# Altium PCB BRG_Daughter_Single.PcbDoc (part 1 of 2) (continued)
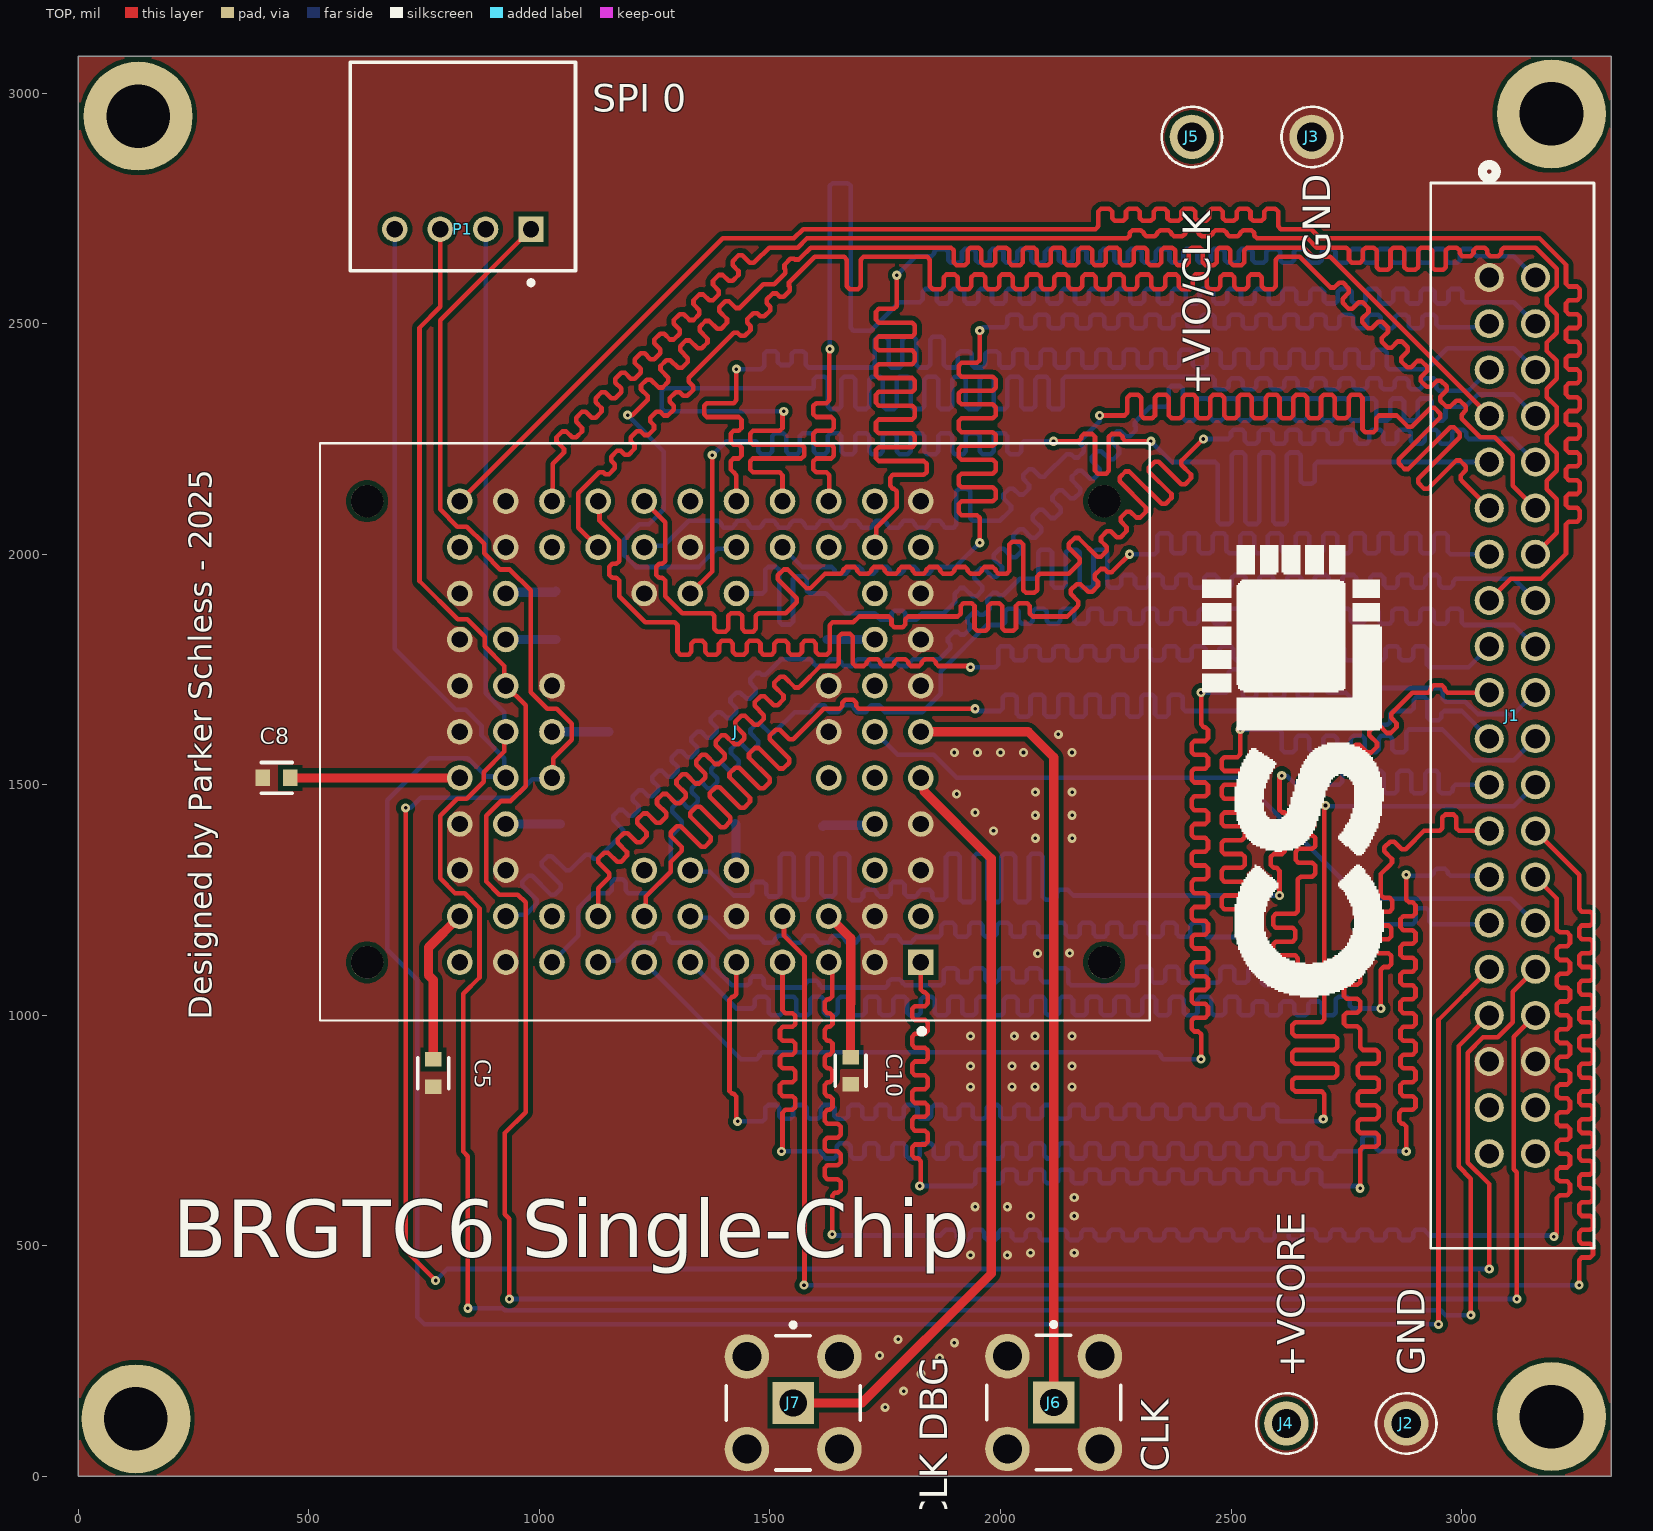
[diagram p0: TOP view]
## Nets (pads, with @x,y where several pads share a name; then routed paths per layer and width w, separated by ;. In a path a pad name is that pad's centre, name@x,y a point inside that pad or via, vN(x,y) a via of type N, cw(c..) or ccw(c..) an arc to the next point about the centre after c; other vN are vias at no path point)
+VCORE: C1.1 C2.1 C3.1 C4.1 C5.1 J1.39 J1.40 J4.1 J.B1 J.B11 J.D2 J.D10 J.H2 J.H10 J.K1 J.K11 | length 3799
  TOP w20: C5.1@770,904.53 770,1076.6 759.65,1086.95 759.65,1147.28 J.B11@827.36,1215
  PWR w20: J.K11@827.36,2015 877.36,1965 877.36,1865 J.H10@927.36,1815 879.65,1767.28 879.65,1462.72 J.D10@927.36,1415 877.36,1365 877.36,1265 J.B11@827.36,1215 875.08,1167.28 875.08,669.92 890,655 ; 1715,680 1775.08,740.08 1775.08,1162.72 J.B1@1827.36,1215 1777.36,1265 1777.36,1365 J.D2@1727.36,1415 1775.08,1462.72 1775.08,1767.28 J.H2@1727.36,1815 1777.36,1865 1777.36,1965 J.K1@1827.36,2015
  BOT w20: J.D10@927.36,1415 C4.1@1045.47,1415 ; J.H10@927.36,1815 C3.1@1035.47,1815 ; C1.1@1614.53,1410 1617.03,1412.5 1724.86,1412.5 J.D2@1727.36,1415 ; C2.1@1624.53,1815 J.H2@1727.36,1815
+VIO/CLK: C6.1 C7.1 C8.1 C9.1 C10.1 J1.37 J1.38 J5.1 J.B3 J.B9 J.C2 J.C5 J.C7 J.E2 J.E3 J.E11 J.F9 J.G2 J.J2 J.J10 J.K3 J.K9 J.L2 J.L6 | length 1027.8
  TOP w20: C8.1@459.53,1515 J.E11@827.36,1515 ; J.B3@1627.36,1215 1675.08,1167.28 1675.08,1025.06 1675,1024.98 C10.1@1675,909.53
  BOT w20: J.J10@927.36,1915 929.86,1917.5 1032.97,1917.5 C6.1@1035.47,1920 ; J.F9@1027.36,1615 C9.1@1150.47,1615 ; C7.1@1425,1415.47 1426.18,1414.29 1426.18,1316.18 J.C5@1427.36,1315
CLK: J6.1 J.F1 | length 1710.2
  TOP w20: J.F1@1827.36,1615 2060,1615 2115.39,1559.61 J6.1@2115.39,160.39
CLK_DBG: J7.1 J.E1 | length 1684
  TOP w20: J7.1@1550.39,159.61 1699.61,159.61 1980,440 1980,1340 1834.14,1485.86 1834.14,1508.22 J.E1@1827.36,1515
CRED_CLK_DOWN: J1.7 J.K5 | length 3808.2
  TOP w10: v1(1191.31,2301.58) 1201.58,2301.58 1231.1,2331.1 1234.63,2334.63 1234.63,2343.12 1220.3,2357.45 1220.3,2365.93 1233.03,2378.66 1241.51,2378.66 1258.49,2361.68 1266.98,2361.68 1279.7,2374.41 1279.7,2382.9 1262.73,2399.87 1262.73,2408.36 1275.46,2421.09 1283.94,2421.09 1300.92,2404.11 1309.4,2404.11 1322.13,2416.84 1322.13,2425.32 1305.15,2442.3 1305.15,2450.78 1317.88,2463.51 1326.37,2463.51 1343.34,2446.54 1351.83,2446.54 1364.56,2459.26 1364.56,2467.75 1347.58,2484.73 1347.58,2493.21 1360.31,2505.94 1368.79,2505.94 1385.77,2488.96 1394.25,2488.96 1406.98,2501.69 1406.98,2510.18 1390.01,2527.15 1390.01,2535.64 1402.73,2548.36 1411.22,2548.36 1425.55,2534.04 1434.04,2534.04 1437.57,2537.57 1485.44,2585.44 1509.11,2585.44 1529.61,2605.94 1533.15,2609.48 1533.15,2617.97 1531.57,2619.54 1531.57,2628.03 1544.3,2640.76 1552.78,2640.76 1554.36,2639.18 1562.85,2639.18 1566.38,2642.71 1588.67,2665 1887.67,2665 1892.67,2665 1898.67,2659 1898.67,2632.8 1904.67,2626.8 1922.67,2626.8 1928.67,2632.8 1928.67,2659 1934.67,2665 1952.67,2665 1958.67,2659 1958.67,2632.8 1964.67,2626.8 1982.67,2626.8 1988.67,2632.8 1988.67,2659 1994.67,2665 2012.67,2665 2018.67,2659 2018.67,2632.8 2024.67,2626.8 2042.67,2626.8 2048.67,2632.8 2048.67,2659 2054.67,2665 2072.67,2665 2078.67,2659 2078.67,2632.8 2084.67,2626.8 2102.67,2626.8 2108.67,2632.8 2108.67,2659 2114.67,2665 2132.67,2665 2138.67,2659 2138.67,2632.8 2144.67,2626.8 2162.67,2626.8 2168.67,2632.8 2168.67,2659 2174.67,2665 2192.67,2665 2198.67,2659 2198.67,2632.8 2204.67,2626.8 2222.67,2626.8 2228.67,2632.8 2228.67,2659 2234.67,2665 2252.67,2665 2258.67,2659 2258.67,2632.8 2264.67,2626.8 2282.67,2626.8 2288.67,2632.8 2288.67,2659 2294.67,2665 2312.67,2665 2318.67,2659 2318.67,2632.8 2324.67,2626.8 2342.67,2626.8 2348.67,2632.8 2348.67,2659 2354.67,2665 2372.67,2665 2378.67,2659 2378.67,2632.8 2384.67,2626.8 2402.67,2626.8 2408.67,2632.8 2408.67,2659 2414.67,2665 2432.67,2665 2438.67,2659 2438.67,2632.8 2444.67,2626.8 2462.67,2626.8 2468.67,2632.8 2468.67,2659 2474.67,2665 2492.67,2665 2498.67,2659 2498.67,2632.8 2504.67,2626.8 2522.67,2626.8 2528.67,2632.8 2528.67,2659 2534.67,2665 2539.67,2665 2657.52,2665 2677.52,2645 2715,2645 J1.7@3060,2300
  BOT w10: v1(1191.31,2301.58) 1270.08,2222.82 1270.08,2097.31 1237.77,2065 1216.95,2065 1184.65,2032.69 1184.65,1997.31 1209.67,1972.28 1345.06,1972.28 1384.65,2011.87 1424.24,2011.87 J.K5@1427.36,2015
CRED_CLK_UP: J1.21 J.B7 | length 3697.8
  TOP w10: J.B7@1227.36,1215 1230.49,1218.13 1230.49,1257.72 1284.65,1311.87 1284.65,1332.69 1305.15,1353.2 1308.69,1356.74 1308.69,1365.22 1285,1388.91 1285,1397.39 1297.73,1410.12 1306.21,1410.12 1350.74,1365.59 1359.23,1365.59 1371.96,1378.32 1371.96,1386.81 1327.43,1431.34 1327.43,1439.82 1340.15,1452.55 1348.64,1452.55 1393.17,1408.02 1401.65,1408.02 1414.38,1420.75 1414.38,1429.23 1369.85,1473.76 1369.85,1482.25 1382.58,1494.97 1391.06,1494.97 1435.59,1450.45 1444.08,1450.45 1456.81,1463.17 1456.81,1471.66 1412.28,1516.19 1412.28,1524.67 1425.01,1537.4 1433.49,1537.4 1478.02,1492.87 1486.51,1492.87 1499.23,1505.6 1499.23,1514.08 1454.7,1558.61 1454.7,1567.1 1467.43,1579.83 1475.92,1579.83 1520.45,1535.3 1528.93,1535.3 1541.66,1548.03 1541.66,1556.51 1499.77,1598.4 1499.77,1606.88 1512.5,1619.61 1520.99,1619.61 1542.03,1598.57 1550.52,1598.57 1554.05,1602.1 1616.95,1665 1645.95,1665 1650.95,1665 1656.95,1671 1656.95,1678.18 1662.95,1684.18 1680.95,1684.18 1686.95,1678.18 1686.95,1671 1692.95,1665 1697.95,1665 v1(1945,1665)
  BOT w10: v1(1945,1665) 1950,1660 1994,1660 1999,1660 2005,1666 2005,1689.5 2011,1695.5 2029,1695.5 2035,1689.5 2035,1653.5 2041,1647.5 2059,1647.5 2065,1653.5 2065,1689.5 2071,1695.5 2089,1695.5 2095,1689.5 2095,1653.5 2101,1647.5 2119,1647.5 2125,1653.5 2125,1689.5 2131,1695.5 2149,1695.5 2155,1689.5 2155,1653.5 2161,1647.5 2179,1647.5 2185,1653.5 2185,1689.5 2191,1695.5 2209,1695.5 2215,1689.5 2215,1653.5 2221,1647.5 2239,1647.5 2245,1653.5 2245,1689.5 2251,1695.5 2269,1695.5 2275,1689.5 2275,1653.5 2281,1647.5 2299,1647.5 2305,1653.5 2305,1689.5 2311,1695.5 2329,1695.5 2335,1689.5 2335,1653.5 2341,1647.5 2359,1647.5 2365,1653.5 2365,1689.5 2371,1695.5 2389,1695.5 2395,1689.5 2395,1666 2401,1660 2569,1660 2575,1654 2575,1650.5 2581,1644.5 2599,1644.5 2605,1650.5 2605,1661.5 2611,1667.5 2629,1667.5 2635,1661.5 2635,1636 2641,1630 2659,1630 2665,1636 2665,1654 2671,1660 2689,1660 2695,1654 2695,1636 2701,1630 2719,1630 2725,1636 2725,1654 2731,1660 2749,1660 2755,1654 2755,1636 2761,1630 2779,1630 2785,1636 2785,1654 2791,1660 2809,1660 2815,1654 2815,1636 2821,1630 2839,1630 2845,1636 2845,1654 2851,1660 2856,1660 2885,1660 2890,1660 2896,1666 2896,1684 2902,1690 2920,1690 2926,1684 2926,1646 2932,1640 2950,1640 2956,1646 2956,1654 2962,1660 2967,1660 3000,1660 J1.21@3060,1600
CRED_CRC_DOWN: J1.4 J.L3 | length 3753
  TOP w10: J.L3@1627.36,2115 1628.68,2116.32 1628.68,2166.72 1628.68,2171.72 1622.68,2177.72 1600.29,2177.72 1594.29,2183.72 1594.29,2201.72 1600.29,2207.72 1632.68,2207.72 1638.68,2213.72 1638.68,2231.72 1632.68,2237.72 1600.29,2237.72 1594.29,2243.72 1594.29,2261.72 1600.29,2267.72 1632.68,2267.72 1638.68,2273.72 1638.68,2291.72 1632.68,2297.72 1600.29,2297.72 1594.29,2303.72 1594.29,2321.72 1600.29,2327.72 1622.68,2327.72 1628.68,2333.72 1628.68,2338.72 1628.68,2443.68 v1(1630,2445)
  BOT w10: v1(1630,2445) 1630,2799.14 1635.86,2805 1669.14,2805 1675,2799.14 1675,2490.86 1680.86,2485 1718.55,2485 1780.05,2546.5 1820.5,2546.5 1825.5,2546.5 1831.5,2552.5 1831.5,2569.24 1837.5,2575.24 1855.5,2575.24 1861.5,2569.24 1861.5,2549.74 1867.5,2543.74 1885.5,2543.74 1891.5,2549.74 1891.5,2569.24 1897.5,2575.24 1915.5,2575.24 1921.5,2569.24 1921.5,2549.74 1927.5,2543.74 1945.5,2543.74 1951.5,2549.74 1951.5,2569.24 1957.5,2575.24 1975.5,2575.24 1981.5,2569.24 1981.5,2549.74 1987.5,2543.74 2005.5,2543.74 2011.5,2549.74 2011.5,2569.24 2017.5,2575.24 2035.5,2575.24 2041.5,2569.24 2041.5,2549.74 2047.5,2543.74 2065.5,2543.74 2071.5,2549.74 2071.5,2569.24 2077.5,2575.24 2095.5,2575.24 2101.5,2569.24 2101.5,2549.74 2107.5,2543.74 2125.5,2543.74 2131.5,2549.74 2131.5,2569.24 2137.5,2575.24 2155.5,2575.24 2161.5,2569.24 2161.5,2549.74 2167.5,2543.74 2185.5,2543.74 2191.5,2549.74 2191.5,2569.24 2197.5,2575.24 2215.5,2575.24 2221.5,2569.24 2221.5,2549.74 2227.5,2543.74 2245.5,2543.74 2251.5,2549.74 2251.5,2569.24 2257.5,2575.24 2275.5,2575.24 2281.5,2569.24 2281.5,2549.74 2287.5,2543.74 2305.5,2543.74 2311.5,2549.74 2311.5,2569.24 2317.5,2575.24 2335.5,2575.24 2341.5,2569.24 2341.5,2549.74 2347.5,2543.74 2365.5,2543.74 2371.5,2549.74 2371.5,2569.24 2377.5,2575.24 2395.5,2575.24 2401.5,2569.24 2401.5,2549.74 2407.5,2543.74 2425.5,2543.74 2431.5,2549.74 2431.5,2569.24 2437.5,2575.24 2455.5,2575.24 2461.5,2569.24 2461.5,2549.74 2467.5,2543.74 2485.5,2543.74 2491.5,2549.74 2491.5,2569.24 2497.5,2575.24 2515.5,2575.24 2521.5,2569.24 2521.5,2549.74 2527.5,2543.74 2545.5,2543.74 2551.5,2549.74 2551.5,2569.24 2557.5,2575.24 2575.5,2575.24 2581.5,2569.24 2581.5,2549.74 2587.5,2543.74 2605.5,2543.74 2611.5,2549.74 2611.5,2569.24 2617.5,2575.24 2635.5,2575.24 2641.5,2569.24 2641.5,2549.74 2647.5,2543.74 2665.5,2543.74 2671.5,2549.74 2671.5,2569.24 2677.5,2575.24 2695.5,2575.24 2701.5,2569.24 2701.5,2549.74 2707.5,2543.74 2725.5,2543.74 2731.5,2549.74 2731.5,2569.24 2737.5,2575.24 2755.5,2575.24 2761.5,2569.24 2761.5,2549.74 2767.5,2543.74 2785.5,2543.74 2791.5,2549.74 2791.5,2569.24 2797.5,2575.24 2815.5,2575.24 2821.5,2569.24 2821.5,2549.74 2827.5,2543.74 2845.5,2543.74 2851.5,2549.74 2851.5,2569.24 2857.5,2575.24 2875.5,2575.24 2881.5,2569.24 2881.5,2549.74 2887.5,2543.74 2905.5,2543.74 2911.5,2549.74 2911.5,2569.24 2917.5,2575.24 2935.5,2575.24 2941.5,2569.24 2941.5,2549.74 2947.5,2543.74 2965.5,2543.74 2971.5,2549.74 2971.5,2569.24 2977.5,2575.24 2995.5,2575.24 3001.5,2569.24 3001.5,2552.5 3007.5,2546.5 3012.5,2546.5 3113.5,2546.5 J1.4@3160,2500
CRED_CRC_UP: J1.18 J.A9 | length 3800.3
  BOT w10: J.A9@1027.36,1115 1084.65,1172.28 1084.65,1232.69 1116.95,1265 1145.95,1265 1150.95,1265 1156.95,1271 1156.95,1289 1162.95,1295 1180.95,1295 1186.95,1289 1186.95,1271 1192.95,1265 1197.95,1265 1237.77,1265 1284.65,1311.87 1284.65,1388.85 1305.15,1409.36 1308.69,1412.89 1308.69,1421.38 1288.29,1441.78 1288.29,1450.26 1301.01,1462.99 1309.5,1462.99 1322.23,1450.26 1330.71,1450.26 1343.44,1462.99 1343.44,1471.48 1330.71,1484.21 1330.71,1492.69 1343.44,1505.42 1351.93,1505.42 1364.65,1492.69 1373.14,1492.69 1385.87,1505.42 1385.87,1513.9 1373.14,1526.63 1373.14,1535.12 1385.87,1547.84 1394.35,1547.84 1410.86,1531.33 1419.35,1531.33 1432.08,1544.06 1432.08,1552.55 1415.57,1569.06 1415.57,1577.54 1428.29,1590.27 1436.78,1590.27 1453.29,1573.76 1461.78,1573.76 1474.5,1586.49 1474.5,1594.97 1457.99,1611.48 1457.99,1619.97 1470.72,1632.7 1479.21,1632.7 1499.61,1612.3 1508.09,1612.3 1511.63,1615.83 1553.51,1657.72 1582.51,1657.72 1587.51,1657.72 1593.51,1663.72 1593.51,1666.28 1599.51,1672.28 1617.51,1672.28 1623.51,1666.28 1623.51,1663.72 1629.51,1657.72 1647.51,1657.72 1653.51,1663.72 1653.51,1666.28 1659.51,1672.28 1677.51,1672.28 1683.51,1666.28 1683.51,1663.72 1689.51,1657.72 1707.51,1657.72 1713.51,1663.72 1713.51,1666.28 1719.51,1672.28 1737.51,1672.28 1743.51,1666.28 1743.51,1663.72 1749.51,1657.72 1754.51,1657.72 1830.49,1657.72 1870.08,1697.31 1870.08,1746.65 1969.93,1846.5 1998.93,1846.5 2003.93,1846.5 2009.93,1852.5 2009.93,1876 2015.93,1882 2033.93,1882 2039.93,1876 2039.93,1855.5 2045.93,1849.5 2063.93,1849.5 2069.93,1855.5 2069.93,1876 2075.93,1882 2093.93,1882 2099.93,1876 2099.93,1855.5 2105.93,1849.5 2123.93,1849.5 2129.93,1855.5 2129.93,1876 2135.93,1882 2153.93,1882 2159.93,1876 2159.93,1855.5 2165.93,1849.5 2183.93,1849.5 2189.93,1855.5 2189.93,1876 2195.93,1882 2213.93,1882 2219.93,1876 2219.93,1855.5 2225.93,1849.5 2243.93,1849.5 2249.93,1855.5 2249.93,1876 2255.93,1882 2273.93,1882 2279.93,1876 2279.93,1855.5 2285.93,1849.5 2303.93,1849.5 2309.93,1855.5 2309.93,1876 2315.93,1882 2333.93,1882 2339.93,1876 2339.93,1855.5 2345.93,1849.5 2363.93,1849.5 2369.93,1855.5 2369.93,1876 2375.93,1882 2393.93,1882 2399.93,1876 2399.93,1855.5 2405.93,1849.5 2423.93,1849.5 2429.93,1855.5 2429.93,1876 2435.93,1882 2453.93,1882 2459.93,1876 2459.93,1855.5 2465.93,1849.5 2483.93,1849.5 2489.93,1855.5 2489.93,1876 2495.93,1882 2513.93,1882 2519.93,1876 2519.93,1855.5 2525.93,1849.5 2543.93,1849.5 2549.93,1855.5 2549.93,1876 2555.93,1882 2573.93,1882 2579.93,1876 2579.93,1855.5 2585.93,1849.5 2603.93,1849.5 2609.93,1855.5 2609.93,1876 2615.93,1882 2633.93,1882 2639.93,1876 2639.93,1855.5 2645.93,1849.5 2663.93,1849.5 2669.93,1855.5 2669.93,1876 2675.93,1882 2693.93,1882 2699.93,1876 2699.93,1855.5 2705.93,1849.5 2723.93,1849.5 2729.93,1855.5 2729.93,1876 2735.93,1882 2753.93,1882 2759.93,1876 2759.93,1855.5 2765.93,1849.5 2783.93,1849.5 2789.93,1855.5 2789.93,1876 2795.93,1882 2813.93,1882 2819.93,1876 2819.93,1855.5 2825.93,1849.5 2843.93,1849.5 2849.93,1855.5 2849.93,1876 2855.93,1882 2873.93,1882 2879.93,1876 2879.93,1855.5 2885.93,1849.5 2903.93,1849.5 2909.93,1855.5 2909.93,1876 2915.93,1882 2933.93,1882 2939.93,1876 2939.93,1855.5 2945.93,1849.5 2963.93,1849.5 2969.93,1855.5 2969.93,1876 2975.93,1882 2993.93,1882 2999.93,1876 2999.93,1852.5 3005.93,1846.5 3010.93,1846.5 3113.5,1846.5 J1.18@3160,1800
CRED_CRED_DOWN: J1.5 J.L4 | length 4110
  TOP w10: J.L4@1527.36,2115 1527.36,2166.72 1527.36,2171.72 1521.36,2177.72 1463.36,2177.72 1457.36,2183.72 1457.36,2201.72 1463.36,2207.72 1568.29,2207.72 1574.29,2213.72 1574.29,2231.72 1568.29,2237.72 1463.36,2237.72 1457.36,2243.72 1457.36,2261.72 1463.36,2267.72 1521.36,2267.72 1527.36,2273.72 1527.36,2278.72 1527.36,2307.36 v1(1530,2310)
  BOT w10: v1(1530,2310) 1270.86,2310 1265,2315.86 1265,2354.14 1270.86,2360 1589,2360 1594,2360 1595,2361 1595,2379 1601,2385 1619,2385 1625,2379 1625,2321 1631,2315 1649,2315 1655,2321 1655,2379 1661,2385 1679,2385 1685,2379 1685,2321 1691,2315 1709,2315 1715,2321 1715,2379 1721,2385 1739,2385 1745,2379 1745,2321 1751,2315 1769,2315 1775,2321 1775,2379 1781,2385 1799,2385 1805,2379 1805,2321 1811,2315 1829,2315 1835,2321 1835,2379 1841,2385 1859,2385 1865,2379 1865,2321 1871,2315 1889,2315 1895,2321 1895,2379 1901,2385 1919,2385 1925,2379 1925,2321 1931,2315 1949,2315 1955,2321 1955,2379 1961,2385 1979,2385 1985,2379 1985,2321 1991,2315 2009,2315 2015,2321 2015,2379 2021,2385 2039,2385 2045,2379 2045,2321 2051,2315 2069,2315 2075,2321 2075,2379 2081,2385 2099,2385 2105,2379 2105,2321 2111,2315 2129,2315 2135,2321 2135,2379 2141,2385 2459,2385 2465,2379 2465,2363.68 2471,2357.68 2489,2357.68 2495,2363.68 2495,2375.52 2501,2381.52 2519,2381.52 2525,2375.52 2525,2363.68 2531,2357.68 2549,2357.68 2555,2363.68 2555,2375.52 2561,2381.52 2579,2381.52 2585,2375.52 2585,2363.68 2591,2357.68 2609,2357.68 2615,2363.68 2615,2375.52 2621,2381.52 2639,2381.52 2645,2375.52 2645,2363.68 2651,2357.68 2669,2357.68 2675,2363.68 2675,2375.52 2681,2381.52 2699,2381.52 2705,2375.52 2705,2363.68 2711,2357.68 2729,2357.68 2735,2363.68 2735,2375.52 2741,2381.52 2759,2381.52 2765,2375.52 2765,2363.68 2771,2357.68 2789,2357.68 2795,2363.68 2795,2375.52 2801,2381.52 2819,2381.52 2825,2375.52 2825,2363.68 2831,2357.68 2849,2357.68 2855,2363.68 2855,2375.52 2861,2381.52 2879,2381.52 2885,2375.52 2885,2363.68 2891,2357.68 2909,2357.68 2915,2363.68 2915,2375.52 2921,2381.52 2939,2381.52 2945,2375.52 2945,2361 2951,2355 2956,2355 3015,2355 J1.5@3060,2400
CRED_CRED_UP: J1.19 J.A8 | length 3642.2
  TOP w10: v1(2645,1070) 2645,1119 2645,1124 2639,1130 2597.36,1130 2591.36,1136 2591.36,1154 2597.36,1160 2633.5,1160 2639.5,1166 2639.5,1184 2633.5,1190 2597.36,1190 2591.36,1196 2591.36,1214 2597.36,1220 2639,1220 2645,1226 2645,1231 2645,1290 2645,1295 2651,1301 2676.5,1301 2682.5,1307 2682.5,1325 2676.5,1331 2646,1331 2640,1337 2640,1355 2646,1361 2676.5,1361 2682.5,1367 2682.5,1385 2676.5,1391 2651,1391 2645,1397 2645,1402 2645,1451.57 2665.51,1472.07 2669.04,1475.61 2669.04,1484.1 2654.1,1499.04 2654.1,1507.53 2666.82,1520.26 2675.31,1520.26 2690.25,1505.31 2698.74,1505.31 2702.28,1508.84 2729.15,1535.71 2732.68,1539.25 2741.17,1539.25 2752.83,1527.58 2761.32,1527.58 2774.05,1540.31 2774.05,1548.8 2757.43,1565.41 2757.43,1573.9 2770.16,1586.63 2778.64,1586.63 2795.26,1570.01 2803.75,1570.01 2816.47,1582.74 2816.47,1591.22 2799.86,1607.84 2799.86,1616.32 2812.58,1629.05 2821.07,1629.05 2837.69,1612.44 2846.17,1612.44 2858.9,1625.16 2858.9,1633.65 2847.23,1645.32 2847.23,1653.8 2850.77,1657.34 2893.43,1700 2922.43,1700 2927.43,1700 2933.43,1706 2933.43,1709.5 2939.43,1715.5 2957.43,1715.5 2963.43,1709.5 2963.43,1706 2969.43,1700 2974.43,1700 J1.19@3060,1700
  BOT w10: J.A8@1127.36,1115 1130.49,1118.13 1170.08,1118.13 1209.67,1157.72 1238.67,1157.72 1243.67,1157.72 1249.67,1163.72 1249.67,1170.9 1255.67,1176.9 1273.67,1176.9 1279.67,1170.9 1279.67,1163.72 1285.67,1157.72 1290.67,1157.72 1345.06,1157.72 1377.36,1125.41 1377.36,1104.59 1416.99,1064.96 1445.99,1064.96 1450.99,1064.96 1456.99,1070.96 1456.99,1078.22 1462.99,1084.22 1480.99,1084.22 1486.99,1078.22 1486.99,1066.5 1492.99,1060.5 1570.99,1060.5 1576.99,1066.5 1576.99,1068.96 1582.99,1074.96 1600.99,1074.96 1606.99,1068.96 1606.99,1066.5 1612.99,1060.5 1750.99,1060.5 1756.99,1066.5 1756.99,1072.72 1762.99,1078.72 1780.99,1078.72 1786.99,1072.72 1786.99,1070.96 1792.99,1064.96 1797.99,1064.96 1865.99,1064.96 1870.99,1064.96 1876.99,1070.96 1876.99,1096.46 1882.99,1102.46 1900.99,1102.46 1906.99,1096.46 1906.99,1078.46 1912.99,1072.46 1930.99,1072.46 1936.99,1078.46 1936.99,1096.46 1942.99,1102.46 1960.99,1102.46 1966.99,1096.46 1966.99,1078.46 1972.99,1072.46 1990.99,1072.46 1996.99,1078.46 1996.99,1096.46 2002.99,1102.46 2020.99,1102.46 2026.99,1096.46 2026.99,1078.46 2032.99,1072.46 2050.99,1072.46 2056.99,1078.46 2056.99,1096.46 2062.99,1102.46 2080.99,1102.46 2086.99,1096.46 2086.99,1078.46 2092.99,1072.46 2110.99,1072.46 2116.99,1078.46 2116.99,1096.46 2122.99,1102.46 2140.99,1102.46 2146.99,1096.46 2146.99,1070.96 2152.99,1064.96 2290.99,1064.96 2296.99,1070.96 2296.99,1099.46 2302.99,1105.46 2320.99,1105.46 2326.99,1099.46 2326.99,1076.46 2332.99,1070.46 2350.99,1070.46 2356.99,1076.46 2356.99,1099.46 2362.99,1105.46 2380.99,1105.46 2386.99,1099.46 2386.99,1076.46 2392.99,1070.46 2410.99,1070.46 2416.99,1076.46 2416.99,1099.46 2422.99,1105.46 2440.99,1105.46 2446.99,1099.46 2446.99,1076.46 2452.99,1070.46 2470.99,1070.46 2476.99,1076.46 2476.99,1099.46 2482.99,1105.46 2500.99,1105.46 2506.99,1099.46 2506.99,1076.46 2512.99,1070.46 2530.99,1070.46 2536.99,1076.46 2536.99,1099.46 2542.99,1105.46 2560.99,1105.46 2566.99,1099.46 2566.99,1070.96 2572.99,1064.96 2577.99,1064.96 2639.96,1064.96 v1(2645,1070)
CRED_MSG_DOWN_0: J1.15 J.L11 | length 4231.2
  TOP w10: J.L11@827.36,2115 1397.36,2685 1552.1,2685 1572.1,2705 2206.1,2705 2212.1,2711 2212.1,2743.39 2218.1,2749.39 2231.1,2749.39 2236.1,2749.39 2242.1,2743.39 2242.1,2729 2248.1,2723 2266.1,2723 2272.1,2729 2272.1,2743.39 2278.1,2749.39 2296.1,2749.39 2302.1,2743.39 2302.1,2729 2308.1,2723 2326.1,2723 2332.1,2729 2332.1,2743.39 2338.1,2749.39 2356.1,2749.39 2362.1,2743.39 2362.1,2729 2368.1,2723 2386.1,2723 2392.1,2729 2392.1,2743.39 2398.1,2749.39 2416.1,2749.39 2422.1,2743.39 2422.1,2729 2428.1,2723 2446.1,2723 2452.1,2729 2452.1,2743.39 2458.1,2749.39 2476.1,2749.39 2482.1,2743.39 2482.1,2729 2488.1,2723 2506.1,2723 2512.1,2729 2512.1,2743.39 2518.1,2749.39 2536.1,2749.39 2542.1,2743.39 2542.1,2729 2548.1,2723 2566.1,2723 2572.1,2729 2572.1,2743.39 2578.1,2749.39 2583.1,2749.39 2596.1,2749.39 2602.1,2743.39 2602.1,2711 2608.1,2705 2674.09,2705 2694.09,2685 3169.05,2685 3226.5,2627.55 3226.5,2591.74 3226.5,2586.74 3232.5,2580.74 3250.5,2580.74 3256.5,2574.74 3256.5,2556.74 3250.5,2550.74 3232.5,2550.74 3226.5,2544.74 3226.5,2526.74 3232.5,2520.74 3250.5,2520.74 3256.5,2514.74 3256.5,2496.74 3250.5,2490.74 3232.5,2490.74 3226.5,2484.74 3226.5,2466.74 3232.5,2460.74 3250.5,2460.74 3256.5,2454.74 3256.5,2436.74 3250.5,2430.74 3232.5,2430.74 3226.5,2424.74 3226.5,2406.74 3232.5,2400.74 3250.5,2400.74 3256.5,2394.74 3256.5,2376.74 3250.5,2370.74 3232.5,2370.74 3226.5,2364.74 3226.5,2346.74 3232.5,2340.74 3250.5,2340.74 3256.5,2334.74 3256.5,2316.74 3250.5,2310.74 3232.5,2310.74 3226.5,2304.74 3226.5,2286.74 3232.5,2280.74 3250.5,2280.74 3256.5,2274.74 3256.5,2256.74 3250.5,2250.74 3232.5,2250.74 3226.5,2244.74 3226.5,2226.74 3232.5,2220.74 3250.5,2220.74 3256.5,2214.74 3256.5,2196.74 3250.5,2190.74 3232.5,2190.74 3226.5,2184.74 3226.5,2166.74 3232.5,2160.74 3250.5,2160.74 3256.5,2154.74 3256.5,2136.74 3250.5,2130.74 3232.5,2130.74 3226.5,2124.74 3226.5,2106.74 3232.5,2100.74 3250.5,2100.74 3256.5,2094.74 3256.5,2076.74 3250.5,2070.74 3232.5,2070.74 3226.5,2064.74 3226.5,2059.74 3226.5,2000.74 3172.26,1946.5 3106.5,1946.5 J1.15@3060,1900
CRED_MSG_DOWN_1: J1.14 J.L9 | length 4103.5
  TOP w10: J.L9@1027.36,2115 1029.43,2117.07 1029.43,2196.28 1049.94,2216.78 1053.47,2220.32 1053.47,2228.8 1037.21,2245.07 1037.21,2253.55 1049.94,2266.28 1058.42,2266.28 1071.15,2253.55 1079.64,2253.55 1092.36,2266.28 1092.36,2274.76 1079.64,2287.49 1079.64,2295.98 1092.36,2308.71 1100.85,2308.71 1113.58,2295.98 1122.06,2295.98 1134.79,2308.71 1134.79,2317.19 1122.06,2329.92 1122.06,2338.4 1134.79,2351.13 1143.28,2351.13 1156,2338.4 1164.49,2338.4 1177.22,2351.13 1177.22,2359.62 1164.49,2372.35 1164.49,2380.83 1177.22,2393.56 1185.7,2393.56 1198.43,2380.83 1206.92,2380.83 1219.64,2393.56 1219.64,2402.04 1206.92,2414.77 1206.92,2423.26 1219.64,2435.98 1228.13,2435.98 1240.86,2423.26 1249.34,2423.26 1262.07,2435.98 1262.07,2444.47 1249.34,2457.2 1249.34,2465.68 1262.07,2478.41 1270.56,2478.41 1283.28,2465.68 1291.77,2465.68 1304.5,2478.41 1304.5,2486.9 1291.77,2499.62 1291.77,2508.11 1304.5,2520.84 1312.98,2520.84 1325.71,2508.11 1334.2,2508.11 1346.92,2520.84 1346.92,2529.32 1334.2,2542.05 1334.2,2550.54 1346.92,2563.26 1355.41,2563.26 1368.14,2550.54 1376.62,2550.54 1389.35,2563.26 1389.35,2571.75 1376.62,2584.48 1376.62,2592.96 1389.35,2605.69 1397.84,2605.69 1410.56,2592.96 1419.05,2592.96 1431.78,2605.69 1431.78,2614.18 1419.05,2626.9 1419.05,2635.39 1431.78,2648.12 1440.26,2648.12 1456.52,2631.85 1465.01,2631.85 1468.55,2635.39 1498.16,2665 1560.38,2665 1580.38,2685 2269.38,2685 2274.38,2685 2280.38,2691 2280.38,2697 2286.38,2703 2304.38,2703 2310.38,2697 2310.38,2695.5 2316.38,2689.5 2334.38,2689.5 2340.38,2695.5 2340.38,2697 2346.38,2703 2364.38,2703 2370.38,2697 2370.38,2695.5 2376.38,2689.5 2394.38,2689.5 2400.38,2695.5 2400.38,2697 2406.38,2703 2424.38,2703 2430.38,2697 2430.38,2695.5 2436.38,2689.5 2454.38,2689.5 2460.38,2695.5 2460.38,2697 2466.38,2703 2484.38,2703 2490.38,2697 2490.38,2695.5 2496.38,2689.5 2514.38,2689.5 2520.38,2695.5 2520.38,2697 2526.38,2703 2544.38,2703 2550.38,2697 2550.38,2691 2556.38,2685 2561.38,2685 2665.81,2685 2685.81,2665 2744.81,2665 2749.81,2665 2755.81,2659 2755.81,2638.48 2761.81,2632.48 2779.81,2632.48 2785.81,2638.48 2785.81,2659 2791.81,2665 2809.81,2665 2815.81,2659 2815.81,2622.8 2821.81,2616.8 2839.81,2616.8 2845.81,2622.8 2845.81,2659 2851.81,2665 2869.81,2665 2875.81,2659 2875.81,2622.8 2881.81,2616.8 2899.81,2616.8 2905.81,2622.8 2905.81,2659 2911.81,2665 2929.81,2665 2935.81,2659 2935.81,2622.8 2941.81,2616.8 2959.81,2616.8 2965.81,2622.8 2965.81,2659 2971.81,2665 2989.81,2665 2995.81,2659 2995.81,2652.5 3001.81,2646.5 3019.81,2646.5 3025.81,2652.5 3025.81,2659 3031.81,2665 3049.81,2665 3055.81,2659 3055.81,2652.5 3061.81,2646.5 3079.81,2646.5 3085.81,2652.5 3085.81,2659 3091.81,2665 3096.81,2665 3160.76,2665 3206.5,2619.26 3206.5,2580.74 3185,2559.24 3185,2540.76 3206.5,2519.26 3206.5,2480.74 3185,2459.24 3185,2440.76 3206.5,2419.26 3206.5,2380.74 3185,2359.24 3185,2340.76 3206.5,2319.26 3206.5,2280.74 3185,2259.24 3185,2240.76 3206.5,2219.26 3206.5,2180.74 3185,2159.24 3185,2140.76 3206.5,2119.26 3206.5,2046.5 J1.14@3160,2000
CRED_MSG_DOWN_2: J1.13 J.L8 | length 3760.4
  TOP w10: J.L8@1127.36,2115 1130.49,2111.87 1130.49,2072.28 1172.86,2029.91 1172.86,1990.09 1172.86,1985.09 1166.86,1979.09 1157.86,1979.09 1151.86,1973.09 1151.86,1955.09 1157.86,1949.09 1166.86,1949.09 1172.86,1943.09 1172.86,1938.09 1172.86,1909.09 1229.67,1852.28 1293.67,1852.28 1299.67,1846.28 1299.67,1788.28 1305.67,1782.28 1318.67,1782.28 1323.67,1782.28 1329.67,1788.28 1329.67,1806.28 1335.67,1812.28 1353.67,1812.28 1359.67,1806.28 1359.67,1788.28 1365.67,1782.28 1383.67,1782.28 1389.67,1788.28 1389.67,1806.28 1395.67,1812.28 1413.67,1812.28 1419.67,1806.28 1419.67,1788.28 1425.67,1782.28 1443.67,1782.28 1449.67,1788.28 1449.67,1806.28 1455.67,1812.28 1473.67,1812.28 1479.67,1806.28 1479.67,1788.28 1485.67,1782.28 1503.67,1782.28 1509.67,1788.28 1509.67,1806.28 1515.67,1812.28 1533.67,1812.28 1539.67,1806.28 1539.67,1788.28 1545.67,1782.28 1563.67,1782.28 1569.67,1788.28 1569.67,1806.28 1575.67,1812.28 1593.67,1812.28 1599.67,1806.28 1599.67,1788.28 1605.67,1782.28 1610.67,1782.28 1623.67,1782.28 1629.67,1788.28 1629.67,1846.28 1635.67,1852.28 1680.98,1852.28 1693.69,1865 1752.69,1865 1757.69,1865 1763.69,1859 1763.69,1847.74 1769.69,1841.74 1787.69,1841.74 1793.69,1847.74 1793.69,1859 1799.69,1865 1804.69,1865 1902.69,1865 1907.69,1865 1913.69,1871 1913.69,1887.72 1919.69,1893.72 1937.69,1893.72 1943.69,1887.72 1943.69,1839.72 1949.69,1833.72 1967.69,1833.72 1973.69,1839.72 1973.69,1887.72 1979.69,1893.72 1997.69,1893.72 2003.69,1887.72 2003.69,1839.72 2009.69,1833.72 2027.69,1833.72 2033.69,1839.72 2033.69,1887.72 2039.69,1893.72 2057.69,1893.72 2063.69,1887.72 2063.69,1871 2069.69,1865 2074.69,1865 2145,1865 2165.51,1885.51 2169.04,1889.04 2169.04,1897.53 2152.42,1914.14 2152.42,1922.63 2165.15,1935.36 2173.64,1935.36 2190.25,1918.74 2198.74,1918.74 2211.47,1931.47 2211.47,1939.95 2204.67,1946.76 2204.67,1955.24 2217.39,1967.97 2225.88,1967.97 2232.68,1961.17 2241.17,1961.17 2244.7,1964.7 v1(2280,2000)
  BOT w10: v1(2280,2000) 2329,2000 2334,2000 2340,2006 2340,2039.5 2346,2045.5 2364,2045.5 2370,2039.5 2370,2008 2376,2002 2394,2002 2400,2008 2400,2039.5 2406,2045.5 2424,2045.5 2430,2039.5 2430,2008 2436,2002 2454,2002 2460,2008 2460,2039.5 2466,2045.5 2484,2045.5 2490,2039.5 2490,2008 2496,2002 2514,2002 2520,2008 2520,2039.5 2526,2045.5 2544,2045.5 2550,2039.5 2550,2008 2556,2002 2574,2002 2580,2008 2580,2039.5 2586,2045.5 2604,2045.5 2610,2039.5 2610,2008 2616,2002 2634,2002 2640,2008 2640,2039.5 2646,2045.5 2664,2045.5 2670,2039.5 2670,2008 2676,2002 2694,2002 2700,2008 2700,2039.5 2706,2045.5 2724,2045.5 2730,2039.5 2730,2008 2736,2002 2754,2002 2760,2008 2760,2039.5 2766,2045.5 2784,2045.5 2790,2039.5 2790,2008 2796,2002 2814,2002 2820,2008 2820,2039.5 2826,2045.5 2844,2045.5 2850,2039.5 2850,2008 2856,2002 2874,2002 2880,2008 2880,2039.5 2886,2045.5 2904,2045.5 2910,2039.5 2910,2008 2916,2002 2934,2002 2940,2008 2940,2039.5 2946,2045.5 2964,2045.5 2970,2039.5 2970,2006 2976,2000 2981,2000 J1.13@3060,2000
CRED_MSG_DOWN_3: J1.12 J.K8 | length 4105.9
  TOP w10: J.K8@1127.36,2015 1084.65,2057.72 1084.65,2132.69 1126.36,2174.41 1129.9,2177.95 1138.39,2177.95 1142.62,2173.71 1151.11,2173.71 1163.84,2186.44 1163.84,2194.92 1155.71,2203.05 1155.71,2211.54 1168.44,2224.26 1176.92,2224.26 1185.05,2216.14 1193.54,2216.14 1206.26,2228.86 1206.26,2237.35 1198.14,2245.48 1198.14,2253.96 1210.86,2266.69 1219.35,2266.69 1227.48,2258.56 1235.96,2258.56 1248.69,2271.29 1248.69,2279.78 1240.56,2287.9 1240.56,2296.39 1253.29,2309.12 1261.78,2309.12 1269.9,2300.99 1278.39,2300.99 1291.12,2313.72 1291.12,2322.2 1282.99,2330.33 1282.99,2338.82 1295.72,2351.54 1304.2,2351.54 1312.33,2343.42 1320.81,2343.42 1333.54,2356.14 1333.54,2364.63 1323.65,2374.52 1323.65,2383.01 1421.23,2480.59 1429.72,2480.59 1436.78,2473.52 1445.27,2473.52 1458,2486.25 1458,2494.73 1450.93,2501.8 1450.93,2510.28 1463.66,2523.01 1472.14,2523.01 1479.21,2515.95 1487.7,2515.95 1500.42,2528.67 1500.42,2537.16 1493.36,2544.23 1493.36,2552.71 1506.09,2565.44 1514.57,2565.44 1521.64,2558.37 1530.12,2558.37 1542.85,2571.1 1542.85,2579.59 1541.44,2581 1541.44,2589.48 1544.97,2593.02 1596.95,2645 1660.95,2645 1666.95,2639 1666.95,2581 1672.95,2575 1690.95,2575 1696.95,2581 1696.95,2639 1702.95,2645 1840.95,2645 1846.95,2639 1846.95,2581 1852.95,2575 1870.95,2575 1876.95,2581 1876.95,2600.8 1882.95,2606.8 1900.95,2606.8 1906.95,2600.8 1906.95,2581 1912.95,2575 1930.95,2575 1936.95,2581 1936.95,2600.8 1942.95,2606.8 1960.95,2606.8 1966.95,2600.8 1966.95,2581 1972.95,2575 1990.95,2575 1996.95,2581 1996.95,2600.8 2002.95,2606.8 2020.95,2606.8 2026.95,2600.8 2026.95,2581 2032.95,2575 2050.95,2575 2056.95,2581 2056.95,2600.8 2062.95,2606.8 2080.95,2606.8 2086.95,2600.8 2086.95,2581 2092.95,2575 2110.95,2575 2116.95,2581 2116.95,2600.8 2122.95,2606.8 2140.95,2606.8 2146.95,2600.8 2146.95,2581 2152.95,2575 2170.95,2575 2176.95,2581 2176.95,2600.8 2182.95,2606.8 2200.95,2606.8 2206.95,2600.8 2206.95,2581 2212.95,2575 2230.95,2575 2236.95,2581 2236.95,2600.8 2242.95,2606.8 2260.95,2606.8 2266.95,2600.8 2266.95,2581 2272.95,2575 2290.95,2575 2296.95,2581 2296.95,2600.8 2302.95,2606.8 2320.95,2606.8 2326.95,2600.8 2326.95,2581 2332.95,2575 2350.95,2575 2356.95,2581 2356.95,2600.8 2362.95,2606.8 2380.95,2606.8 2386.95,2600.8 2386.95,2581 2392.95,2575 2410.95,2575 2416.95,2581 2416.95,2600.8 2422.95,2606.8 2440.95,2606.8 2446.95,2600.8 2446.95,2581 2452.95,2575 2470.95,2575 2476.95,2581 2476.95,2600.8 2482.95,2606.8 2500.95,2606.8 2506.95,2600.8 2506.95,2581 2512.95,2575 2530.95,2575 2536.95,2581 2536.95,2600.8 2542.95,2606.8 2560.95,2606.8 2566.95,2600.8 2566.95,2581 2572.95,2575 2590.95,2575 2596.95,2581 2596.95,2639 2602.95,2645 2649.24,2645 2712.17,2582.07 2715.71,2578.53 2724.19,2578.53 2734.45,2588.78 2742.93,2588.78 2755.66,2576.06 2755.66,2567.57 2741.93,2553.84 2741.93,2545.35 2754.65,2532.63 2763.14,2532.63 2776.87,2546.36 2785.36,2546.36 2798.09,2533.63 2798.09,2525.15 2784.35,2511.41 2784.35,2502.93 2797.08,2490.2 2805.57,2490.2 2819.3,2503.93 2827.78,2503.93 2840.51,2491.2 2840.51,2482.72 2826.78,2468.99 2826.78,2460.5 2839.51,2447.77 2847.99,2447.77 2861.72,2461.51 2870.21,2461.51 2882.94,2448.78 2882.94,2440.29 2869.2,2426.56 2869.2,2418.07 2881.93,2405.35 2890.42,2405.35 2904.15,2419.08 2912.64,2419.08 2925.36,2406.35 2925.36,2397.87 2911.63,2384.13 2911.63,2375.65 2924.36,2362.92 2932.84,2362.92 2946.58,2376.65 2955.06,2376.65 2967.79,2363.92 2967.79,2355.44 2954.06,2341.71 2954.06,2333.22 2966.79,2320.49 2975.27,2320.49 2988.04,2333.27 2996.53,2333.27 3009.26,2320.54 3009.26,2312.05 2999.96,2302.76 2999.96,2294.27 3003.5,2290.74 3040.74,2253.5 3072.26,2253.5 3111.06,2214.7 3111.06,2148.94 J1.12@3160,2100
CRED_MSG_DOWN_4: J1.11 J.K7 | length 3858.4
  TOP w10: v1(2215,2300.82) 2264,2300.82 2269,2300.82 2275,2306.82 2275,2339.82 2281,2345.82 2299,2345.82 2305,2339.82 2305,2301 2311,2295 2329,2295 2335,2301 2335,2339.82 2341,2345.82 2359,2345.82 2365,2339.82 2365,2301 2371,2295 2389,2295 2395,2301 2395,2339.82 2401,2345.82 2419,2345.82 2425,2339.82 2425,2301 2431,2295 2449,2295 2455,2301 2455,2339.82 2461,2345.82 2479,2345.82 2485,2339.82 2485,2301 2491,2295 2509,2295 2515,2301 2515,2339.82 2521,2345.82 2539,2345.82 2545,2339.82 2545,2301 2551,2295 2569,2295 2575,2301 2575,2339.82 2581,2345.82 2599,2345.82 2605,2339.82 2605,2301 2611,2295 2629,2295 2635,2301 2635,2339.82 2641,2345.82 2659,2345.82 2665,2339.82 2665,2301 2671,2295 2689,2295 2695,2301 2695,2339.82 2701,2345.82 2719,2345.82 2725,2339.82 2725,2301 2731,2295 2749,2295 2755,2301 2755,2339.82 2761,2345.82 2779,2345.82 2785,2339.82 2785,2271 2791,2265 2809,2265 2815,2271 2815,2294.82 2821,2300.82 2826,2300.82 2859.18,2300.82 2879.68,2280.32 2883.22,2276.78 2891.7,2276.78 2932.72,2317.79 2941.2,2317.79 2953.93,2305.07 2953.93,2296.58 2863.42,2206.07 2863.42,2197.59 2876.15,2184.86 2884.63,2184.86 2975.14,2275.37 2983.63,2275.37 2996.36,2262.64 2996.36,2254.15 2905.85,2163.64 2905.85,2155.16 2918.57,2142.43 2927.06,2142.43 2988.04,2203.42 2996.53,2203.42 3009.26,2190.69 3009.26,2182.2 2997.77,2170.72 2997.77,2162.23 3001.31,2158.69 J1.11@3060,2100
  BOT w10: J.K7@1227.36,2015 1230.49,2018.13 1270.08,2018.13 1324.24,2072.28 1383.24,2072.28 1388.24,2072.28 1394.24,2066.28 1394.24,2063.72 1400.24,2057.72 1418.24,2057.72 1424.24,2063.72 1424.24,2066.28 1430.24,2072.28 1448.24,2072.28 1454.24,2066.28 1454.24,2063.72 1460.24,2057.72 1478.24,2057.72 1484.24,2063.72 1484.24,2066.28 1490.24,2072.28 1508.24,2072.28 1514.24,2066.28 1514.24,2063.72 1520.24,2057.72 1538.24,2057.72 1544.24,2063.72 1544.24,2066.28 1550.24,2072.28 1568.24,2072.28 1574.24,2066.28 1574.24,2063.72 1580.24,2057.72 1598.24,2057.72 1604.24,2063.72 1604.24,2066.28 1610.24,2072.28 1628.24,2072.28 1634.24,2066.28 1634.24,2063.72 1640.24,2057.72 1658.24,2057.72 1664.24,2063.72 1664.24,2066.28 1670.24,2072.28 1688.24,2072.28 1694.24,2066.28 1694.24,2063.72 1700.24,2057.72 1718.24,2057.72 1724.24,2063.72 1724.24,2066.28 1730.24,2072.28 1748.24,2072.28 1754.24,2066.28 1754.24,2063.72 1760.24,2057.72 1778.24,2057.72 1784.24,2063.72 1784.24,2066.28 1790.24,2072.28 1808.24,2072.28 1814.24,2066.28 1814.24,2063.72 1820.24,2057.72 1838.24,2057.72 1844.24,2063.72 1844.24,2066.28 1850.24,2072.28 1868.24,2072.28 1874.24,2066.28 1874.24,2063.72 1880.24,2057.72 1898.24,2057.72 1904.24,2063.72 1904.24,2136.28 1910.24,2142.28 1928.24,2142.28 1934.24,2136.28 1934.24,2078.28 1940.24,2072.28 1945.24,2072.28 1998.85,2072.28 2019.36,2092.79 2022.89,2096.32 2022.89,2104.81 2006.63,2121.07 2006.63,2129.56 2019.36,2142.29 2027.84,2142.29 2040.57,2129.56 2049.06,2129.56 2061.78,2142.29 2061.78,2150.77 2049.06,2163.5 2049.06,2171.99 2061.78,2184.71 2070.27,2184.71 2086.53,2168.45 2095.02,2168.45 2098.55,2171.99 2143.81,2217.24 2152.29,2217.24 2159.67,2209.87 2168.15,2209.87 2180.88,2222.6 2180.88,2231.08 2173.51,2238.45 2173.51,2246.94 2177.04,2250.47 2215,2288.43 v1(2215,2300.82)
CRED_MSG_DOWN_5: J1.10 J.L7 | length 3836.6
  TOP w10: J.L7@1227.36,2115 1272.86,2069.5 1272.86,1990.09 1272.86,1985.09 1266.86,1979.09 1259.68,1979.09 1253.68,1973.09 1253.68,1955.09 1259.68,1949.09 1266.86,1949.09 1272.86,1943.09 1272.86,1938.09 1272.86,1909.09 1309.67,1872.28 1368.67,1872.28 1373.67,1872.28 1379.67,1866.28 1379.67,1838.28 1385.67,1832.28 1403.67,1832.28 1409.67,1838.28 1409.67,1866.28 1415.67,1872.28 1433.67,1872.28 1439.67,1866.28 1439.67,1838.28 1445.67,1832.28 1463.67,1832.28 1469.67,1838.28 1469.67,1866.28 1475.67,1872.28 1480.67,1872.28 1534,1872.28 1554.51,1892.79 1558.04,1896.32 1558.04,1904.81 1517.03,1945.82 1517.03,1954.31 1529.76,1967.04 1538.24,1967.04 1579.25,1926.02 1587.74,1926.02 1591.27,1929.56 1619.43,1957.72 1648.43,1957.72 1653.43,1957.72 1659.43,1963.72 1659.43,1966.28 1665.43,1972.28 1683.43,1972.28 1689.43,1966.28 1689.43,1963.72 1695.43,1957.72 1713.43,1957.72 1719.43,1963.72 1719.43,1966.28 1725.43,1972.28 1743.43,1972.28 1749.43,1966.28 1749.43,1963.72 1755.43,1957.72 1773.43,1957.72 1779.43,1963.72 1779.43,1966.28 1785.43,1972.28 1803.43,1972.28 1809.43,1966.28 1809.43,1963.72 1815.43,1957.72 1833.43,1957.72 1839.43,1963.72 1839.43,1966.28 1845.43,1972.28 1863.43,1972.28 1869.43,1966.28 1869.43,1963.72 1875.43,1957.72 1893.43,1957.72 1899.43,1963.72 1899.43,1966.28 1905.43,1972.28 1923.43,1972.28 1929.43,1966.28 1929.43,1963.72 1935.43,1957.72 1953.43,1957.72 1959.43,1963.72 1959.43,1966.28 1965.43,1972.28 1983.43,1972.28 1989.43,1966.28 1989.43,1963.72 1995.43,1957.72 2013.43,1957.72 2019.43,1963.72 2019.43,2021.22 2025.43,2027.22 2043.43,2027.22 2049.43,2021.22 2049.43,1922.22 2055.43,1916.22 2073.43,1916.22 2079.43,1922.22 2079.43,1951.72 2085.43,1957.72 2090.43,1957.72 2147.72,1957.72 2168.22,1978.22 2171.76,1981.76 2171.76,1990.24 2147.95,2014.05 2147.95,2022.54 2160.68,2035.26 2169.16,2035.26 2209.57,1994.86 2218.05,1994.86 2230.78,2007.59 2230.78,2016.07 2218.05,2028.8 2218.05,2037.29 2230.78,2050.01 2239.27,2050.01 2251.99,2037.29 2260.48,2037.29 2273.21,2050.01 2273.21,2058.5 2260.48,2071.23 2260.48,2079.71 2273.21,2092.44 2281.69,2092.44 2294.42,2079.71 2302.91,2079.71 2315.63,2092.44 2315.63,2100.93 2258.38,2158.18 2258.38,2166.67 2271.11,2179.39 2279.59,2179.39 2349.6,2109.39 2358.08,2109.39 2370.81,2122.12 2370.81,2130.6 2321.87,2179.54 2321.87,2188.03 2334.6,2200.76 2343.08,2200.76 2392.02,2151.82 2400.51,2151.82 2413.24,2164.55 2413.24,2173.03 2392.38,2193.89 2392.38,2202.38 2395.91,2205.91 v1(2440,2250)
  BOT w10: v1(2440,2250) 2489,2250 2494,2250 2500,2256 2500,2264 2506,2270 2524,2270 2530,2264 2530,2246 2536,2240 2554,2240 2560,2246 2560,2264 2566,2270 2584,2270 2590,2264 2590,2246 2596,2240 2614,2240 2620,2246 2620,2264 2626,2270 2644,2270 2650,2264 2650,2246 2656,2240 2674,2240 2680,2246 2680,2264 2686,2270 2704,2270 2710,2264 2710,2246 2716,2240 2734,2240 2740,2246 2740,2264 2746,2270 2764,2270 2770,2264 2770,2246 2776,2240 2794,2240 2800,2246 2800,2264 2806,2270 2824,2270 2830,2264 2830,2246 2836,2240 2854,2240 2860,2246 2860,2264 2866,2270 2884,2270 2890,2264 2890,2246 2896,2240 2914,2240 2920,2246 2920,2264 2926,2270 2944,2270 2950,2264 2950,2246 2956,2240 2974,2240 2980,2246 2980,2264 2986,2270 3004,2270 3010,2264 3010,2256 3016,2250 3021,2250 3110,2250 J1.10@3160,2200
CRED_MSG_DOWN_6: J1.9 J.J6 | length 3914.1
  TOP w10: J.J6@1327.36,1915 1375,1962.64 v1(1375,2215) ; v1(2115,2245) 2164,2245 2169,2245 2175,2251 2175,2254.82 2181,2260.82 2199,2260.82 2205,2254.82 2205,2181 2211,2175 2229,2175 2235,2181 2235,2254.82 2241,2260.82 2259,2260.82 2265,2254.82 2265,2251 2271,2245 2276,2245 v1(2326.25,2245)
  BOT w10: v1(1375,2215) 1405,2245 1464,2245 1469,2245 1475,2239 1475,2223 1481,2217 1499,2217 1505,2223 1505,2256.5 1511,2262.5 1529,2262.5 1535,2256.5 1535,2223 1541,2217 1559,2217 1565,2223 1565,2256.5 1571,2262.5 1589,2262.5 1595,2256.5 1595,2223 1601,2217 1619,2217 1625,2223 1625,2256.5 1631,2262.5 1649,2262.5 1655,2256.5 1655,2223 1661,2217 1679,2217 1685,2223 1685,2256.5 1691,2262.5 1709,2262.5 1715,2256.5 1715,2223 1721,2217 1739,2217 1745,2223 1745,2256.5 1751,2262.5 1769,2262.5 1775,2256.5 1775,2223 1781,2217 1799,2217 1805,2223 1805,2256.5 1811,2262.5 1829,2262.5 1835,2256.5 1835,2223 1841,2217 1859,2217 1865,2223 1865,2256.5 1871,2262.5 1889,2262.5 1895,2256.5 1895,2223 1901,2217 1919,2217 1925,2223 1925,2256.5 1931,2262.5 1949,2262.5 1955,2256.5 1955,2223 1961,2217 1979,2217 1985,2223 1985,2256.5 1991,2262.5 2009,2262.5 2015,2256.5 2015,2223 2021,2217 2039,2217 2045,2223 2045,2239 2051,2245 2056,2245 v1(2115,2245) ; v1(2326.25,2245) 2371.25,2200 2430.25,2200 2465.25,2200 2471.25,2194 2471.25,2071.5 2477.25,2065.5 2495.25,2065.5 2501.25,2071.5 2501.25,2214.57 2507.25,2220.57 2525.25,2220.57 2531.25,2214.57 2531.25,2071.5 2537.25,2065.5 2555.25,2065.5 2561.25,2071.5 2561.25,2214.57 2567.25,2220.57 2585.25,2220.57 2591.25,2214.57 2591.25,2071.5 2597.25,2065.5 2615.25,2065.5 2621.25,2071.5 2621.25,2214.57 2627.25,2220.57 2645.25,2220.57 2651.25,2214.57 2651.25,2158.72 2657.25,2152.72 2675.25,2152.72 2681.25,2158.72 2681.25,2194 2687.25,2200 2992.25,2200 J1.9@3060,2200